# Altium PCB pay-ssm-v4-2.PcbDoc (part 3 of 4)
Units mm, origin at the board's own origin, x right, y up, seen from the top; angles counter-clockwise.
Board outline 127 x 55.12 mm, 6 copper layers (Top Layer, GND1, VCC, 3V3, GND2, Bottom Layer), stack 0.816 mm thick; 295 components, 222 nets, 1035 pads, 478 vias.
Unrouted connection lines stored in the file: 119.
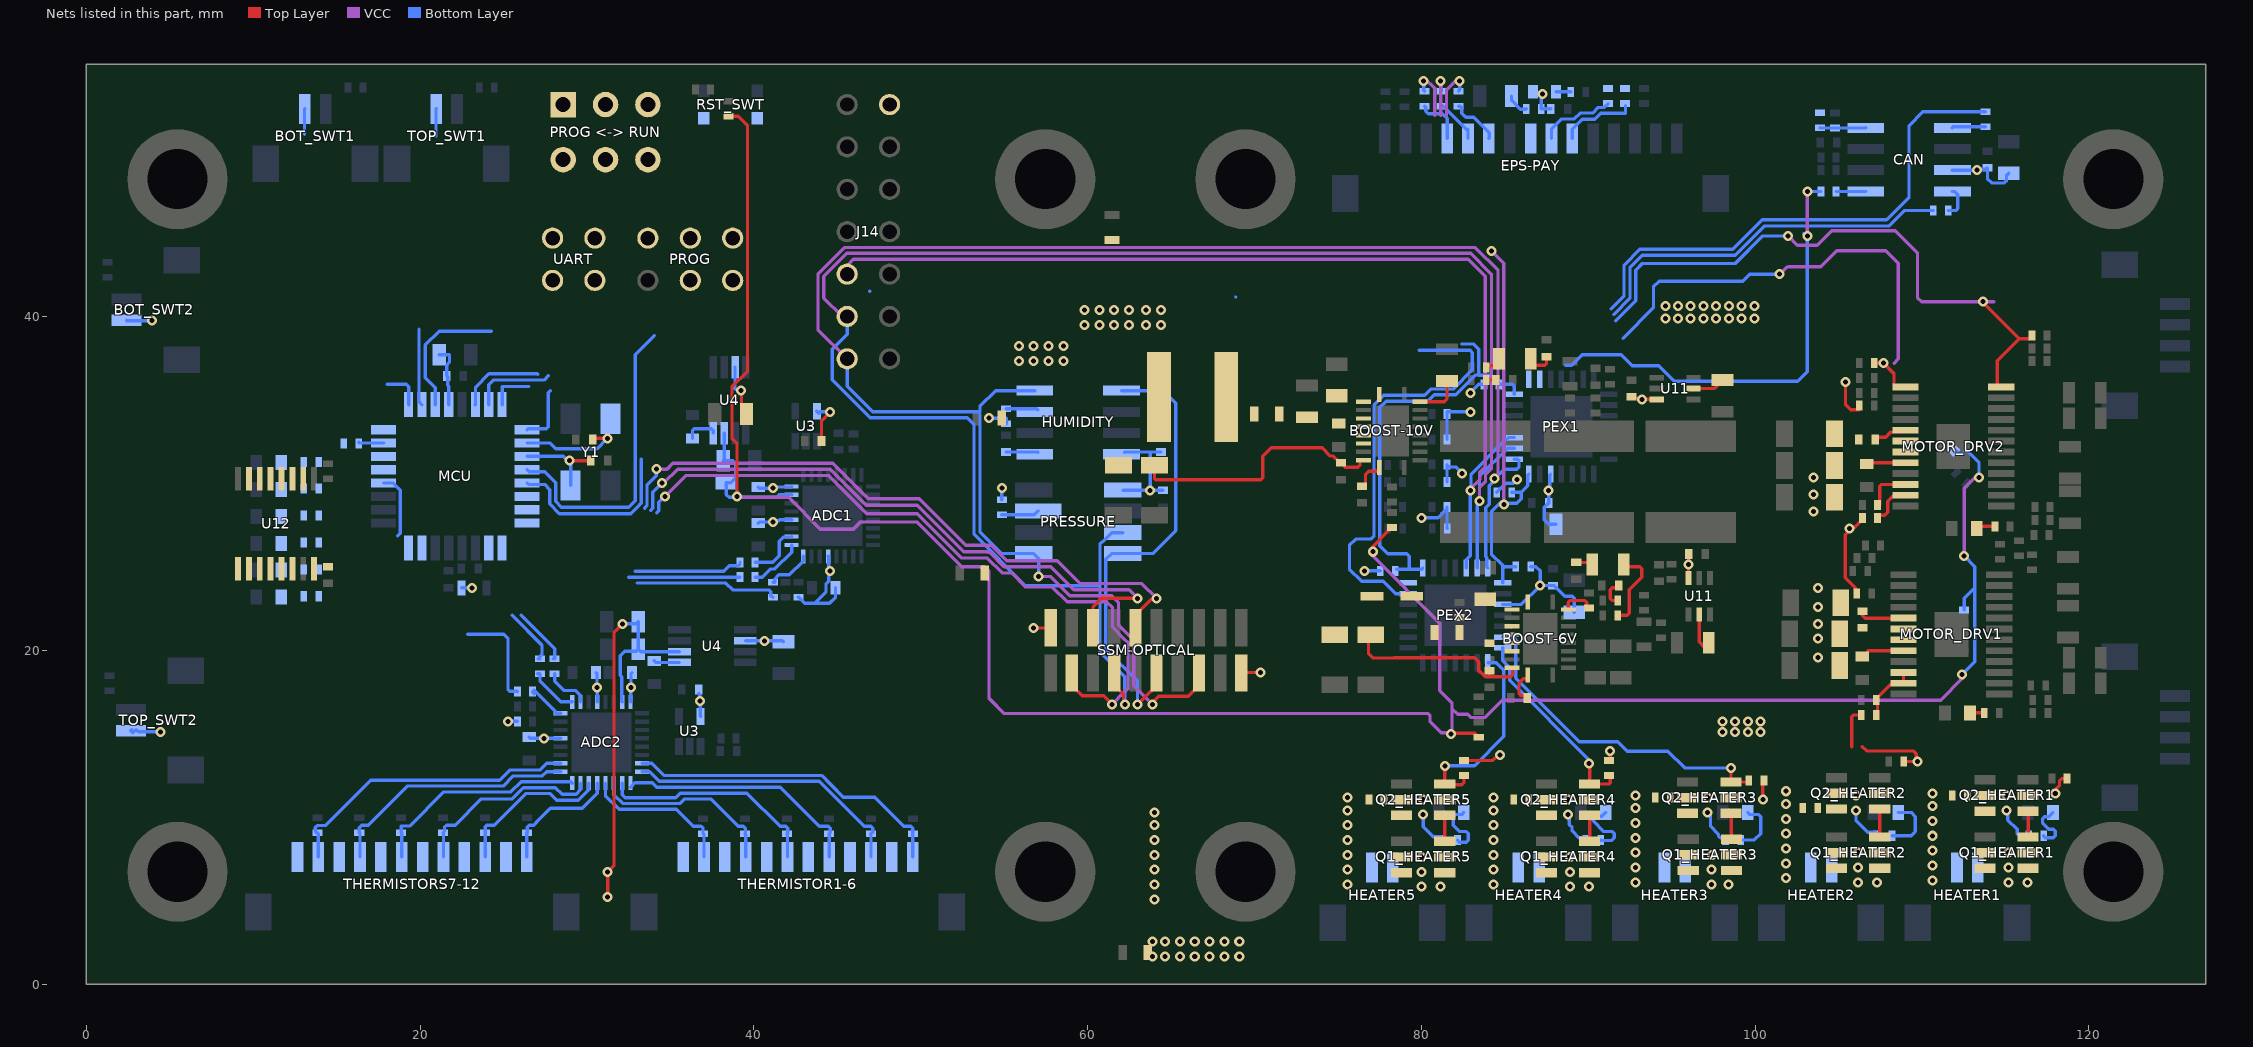
[diagram p7: the nets of this part, all layers, seen from the top]

## Via types
v1: diameter 0.6, hole 0.3, Top Layer to Bottom Layer, tented both sides, 478 vias

## Nets (pads, with @x,y where several pads share a name; then routed paths per layer and width w, separated by ;. In a path a pad name is that pad's centre, name@x,y a point inside that pad or via, vN(x,y) a via of type N, cw(c..) or ccw(c..) an arc to the next point about the centre after c; other vN are vias at no path point) (continued)
HEATER_EN_HEATER3_N: PEX2.2 Q2_HEATER3.3 R66_HEATER3.1 | length 20.3
  Top Layer w0.2: v1(98.552,12.954) 98.552,12.121 Q2_HEATER3.3@98.546,12.116 99.55,12.116 R66_HEATER3.1@99.626,12.192
  Bottom Layer w0.2: PEX2.2@84.877,20.798 84.907,20.828 85.471,20.828 85.649,20.65 85.649,18.339 89.466,14.522 91.767,14.522 92.335,13.954 94.777,13.954 95.777,12.954 v1(98.552,12.954)
HEATER_EN_HEATER4_N: PEX2.1 Q2_HEATER4.3 R66_HEATER4.1 | length 12
  Top Layer w0.2: v1(90.043,13.208) 90.083,13.168 Q2_HEATER4.3@90.083,11.989 91.237,11.989 91.313,12.065 91.313,12.423 R66_HEATER4.1@91.232,12.504
  Bottom Layer w0.2: PEX2.1@84.877,20.148 84.877,19.39 85.297,18.97 85.297,18.193 90.043,13.447 v1(90.043,13.208)
HEATER_EN_HEATER5_N: PEX2.28 Q2_HEATER5.3 R66_HEATER5.1 | length 12.1
  Top Layer w0.2: v1(81.407,13.081) 81.407,11.994 Q2_HEATER5.3@81.401,11.989 81.452,11.938 82.423,11.938 82.55,12.065 R66_HEATER5.1@82.55,12.504
  Bottom Layer w0.2: v1(81.407,13.081) 83.185,13.081 84.945,14.841 84.945,18.814 84.496,19.263 PEX2.28@83.992,19.263
HEATER_EN_PU_HEATER1: Q1_HEATER1.3 Q2_HEATER1.1 Q2_HEATER1.2 Q2_HEATER1.5 Q2_HEATER1.6 R65_HEATER1.1 R96_HEATER1.1 | length 4
  Top Layer w0.2: Q1_HEATER1.3@116.357,8.814 Q2_HEATER1.1@116.357,10.363
  Bottom Layer w0.2: v1(115.062,10.414) 115.139,10.337 115.139,9.829 115.697,9.271 115.697,9.017 115.824,8.89 R96_HEATER1.1@116.39,8.89
  other v1: 115.062,11.303
HEATER_EN_PU_HEATER2: Q1_HEATER2.3 Q2_HEATER2.1 Q2_HEATER2.2 Q2_HEATER2.5 Q2_HEATER2.6 R65_HEATER2.1 R96_HEATER2.1 | length 4
  Top Layer w0.2: Q1_HEATER2.3@107.467,8.814 Q2_HEATER2.1@107.467,10.49
  Bottom Layer w0.2: v1(106.045,10.414) 106.045,9.798 106.753,9.09 107.204,9.09 107.304,8.99 R96_HEATER2.1@107.304,8.89
  other v1: 106.045,11.303
HEATER_EN_PU_HEATER3: Q1_HEATER3.3 Q2_HEATER3.1 Q2_HEATER3.2 Q2_HEATER3.5 Q2_HEATER3.6 R65_HEATER3.1 R96_HEATER3.1 | length 3.8
  Top Layer w0.2: Q2_HEATER3.1@98.546,10.236 98.577,10.205 Q1_HEATER3.3@98.577,8.687
  Bottom Layer w0.2: v1(97.155,10.287) 97.326,10.116 97.326,9.469 97.803,8.992 97.803,8.88 97.921,8.763 98.129,8.763 98.229,8.663 R96_HEATER3.1@98.229,8.636
  other v1: 97.155,11.176
HEATER_EN_PU_HEATER4: Q1_HEATER4.3 Q2_HEATER4.1 Q2_HEATER4.2 Q2_HEATER4.5 Q2_HEATER4.6 R65_HEATER4.1 R96_HEATER4.1 | length 3.7
  Top Layer w0.2: Q1_HEATER4.3@90.083,8.56 Q2_HEATER4.1@90.083,10.109
  Bottom Layer w0.2: v1(88.788,10.16) 88.865,10.083 88.865,9.56 89.027,9.398 89.027,9.178 89.442,8.763 89.747,8.763 89.847,8.663 R96_HEATER4.1@89.847,8.636
  other v1: 88.788,11.049
HEATER_EN_PU_HEATER5: Q1_HEATER5.3 Q2_HEATER5.1 Q2_HEATER5.2 Q2_HEATER5.5 Q2_HEATER5.6 R65_HEATER5.1 R96_HEATER5.1 | length 3.8
  Top Layer w0.2: Q1_HEATER5.3@81.401,8.56 Q2_HEATER5.1@81.401,10.109
  Bottom Layer w0.2: v1(80.106,10.16) 80.106,9.429 80.699,8.836 81.169,8.836 81.269,8.736 R96_HEATER5.1@81.269,8.636
  other v1: 80.106,11.049
HM_CSn: HUMIDITY.3 MCU.23 R77.1 | length 1.9
  Bottom Layer w0.2: R77.1@55.118,34.486 56.954,34.486 HUMIDITY.3@57.023,34.417
ILIM: BOOST-10V.19 R29.2 | length 2.8
  Top Layer w0.2: BOOST-10V.19@79.917,34.897 81.379,34.897 81.534,35.052 R29.2@81.534,36.134
ILIM2: BOOST-6V.19 R88.2 | length 2
  Top Layer w0.2: BOOST-6V.19@88.807,22.451 88.807,22.87 88.924,22.987 89.482,22.987 89.485,22.985 89.799,22.985 89.916,22.867 89.916,22.637 90.016,22.537 R88.2@90.043,22.537
IN4: U12.10
IN5: U12.12
IN6: U12.14
IND_BOOST: L2.2 R25.1
IND_BOOST2: L3.2 R38.1
IND_BOOST2_SENSE: BOOST-6V.4 BOOST-6V.5 BOOST-6V.6 BOOST-6V.7 C31.2 R38.2 R39.2
IND_BOOST_SENSE: BOOST-10V.4 BOOST-10V.5 BOOST-10V.6 BOOST-10V.7 C19.2 R25.2 R26.2
INTA_PEX1: PEX1.16
INTB_PEX1: PEX1.15
INTB_PEX2: PEX2.15
LBK: MCU.18 R15.2 | length 27.6
  VCC w0.2: v1(103.124,44.828) v1(103.124,47.498)
  Bottom Layer w0.2: 88.646,37.084 89,37.084 89.629,37.713 91.971,37.713 92.628,37.055 94.234,37.055 95.167,36.122 102.543,36.122 103.124,36.703 v1(103.124,44.828) 102.994,44.958 102.994,44.882 v1@102.918,44.958 ; v1(103.124,47.498) R15.2@103.944,47.498
LBK_R: CAN.5 R15.1 | length 1.8
  Bottom Layer w0.2: R15.1@104.844,47.498 CAN.5@106.62,47.498
LED1: D2.1 R80.1
LED2: D3.1 R81.1
LED3: D4.1 R82.1
LED4: D5.1 R83.1
LED5: D6.1 R84.1
LED6: D7.1 R85.1
MF1_THM1: ADC2.12 R78_MF_THM1_6.2 THERMISTOR1-6.2 | length 9.1
  Bottom Layer w0.2: ADC2.12@31.111,12.043 31.111,11.296 31.936,10.471 35.36,10.471 36.378,9.454 36.84,9.454 36.957,9.336 R78_MF_THM1_6.2@36.957,9.006 37.017,8.946 THERMISTOR1-6.2@37.017,7.62
MF1_THM2: ADC2.11 R78_MF_THM1_7.2 THERMISTOR1-6.4 | length 11.4
  Bottom Layer w0.2: ADC2.11@31.611,12.043 31.64,12.014 31.64,11.323 32.139,10.824 35.589,10.824 35.858,11.093 37.421,11.093 39.06,9.454 39.38,9.454 39.497,9.336 39.497,9.031 R78_MF_THM1_7.2@39.472,9.006 39.517,8.961 THERMISTOR1-6.4@39.517,7.62
MF1_THM3: ADC2.10 R78_MF_THM1_8.2 THERMISTOR1-6.6 | length 13.4
  Bottom Layer w0.2: ADC2.10@32.111,12.043 32.111,11.35 32.285,11.176 35.309,11.176 35.578,11.446 39.589,11.446 41.582,9.454 41.92,9.454 42.037,9.336 42.037,9.057 R78_MF_THM1_8.2@41.986,9.006 42.017,8.975 THERMISTOR1-6.6@42.017,7.62
MF1_THM4: ADC2.9 R78_MF_THM1_9.2 THERMISTOR1-6.8 | length 15
  Bottom Layer w0.2: ADC2.9@32.611,11.798 32.878,12.065 33.919,12.065 34.185,11.798 41.586,11.798 43.931,9.454 44.46,9.454 44.577,9.336 44.577,9.082 R78_MF_THM1_9.2@44.501,9.006 44.517,8.99 THERMISTOR1-6.8@44.517,7.62
MF1_THM5: ADC2.8 R78_MF_THM1_10.2 THERMISTOR1-6.10 | length 17
  Bottom Layer w0.2: ADC2.8@33.296,12.728 33.754,12.728 34.331,12.151 43.914,12.151 46.611,9.454 47,9.454 47.117,9.336 47.117,9.106 47.017,9.006 R78_MF_THM1_10.2@47.015,9.006 47.017,9.004 THERMISTOR1-6.10@47.017,7.62
MF1_THM6: ADC2.7 R78_MF_THM1_11.2 THERMISTOR1-6.12 | length 19.6
  Bottom Layer w0.2: ADC2.7@33.296,13.228 33.889,13.228 34.614,12.503 44.06,12.503 44.625,11.938 45.363,11.2 47.239,11.2 48.986,9.454 49.413,9.454 49.53,9.336 R78_MF_THM1_11.2@49.53,9.006 49.517,8.993 THERMISTOR1-6.12@49.517,7.62
MF2_THM1: ADC2.18 R78_MF_THM2_12.2 THERMISTORS7-12.2 | length 18.2
  Bottom Layer w0.2: THERMISTORS7-12.2@13.903,7.62 13.903,9.015 R78_MF_THM2_12.2@13.843,9.075 13.816,9.075 13.716,9.175 13.716,9.387 13.833,9.504 14.33,9.504 17.046,12.22 24.765,12.22 25.372,12.827 27.188,12.827 27.589,13.228 ADC2.18@28.426,13.228
MF2_THM2: ADC2.17 R78_MF_THM2_13.2 THERMISTORS7-12.4 | length 15.2
  Bottom Layer w0.2: THERMISTORS7-12.4@16.403,7.62 16.403,9.03 R78_MF_THM2_13.2@16.358,9.075 16.358,9.373 16.508,9.523 16.889,9.523 19.233,11.867 24.979,11.867 25.587,12.475 27.334,12.475 27.587,12.728 ADC2.17@28.426,12.728
MF2_THM3: ADC2.16 R78_MF_THM2_14.2 THERMISTORS7-12.6 | length 13.2
  Bottom Layer w0.2: THERMISTORS7-12.6@18.903,7.62 18.903,9.044 R78_MF_THM2_14.2@18.872,9.075 18.872,9.474 19.371,9.474 21.412,11.515 25.445,11.515 26.052,12.122 29.032,12.122 ADC2.16@29.111,12.043
MF2_THM4: ADC2.15 R78_MF_THM2_15.2 THERMISTORS7-12.8 | length 11.6
  Bottom Layer w0.2: THERMISTORS7-12.8@21.403,7.62 21.403,9.059 R78_MF_THM2_15.2@21.387,9.075 21.463,9.151 21.463,9.398 21.588,9.523 21.791,9.523 21.794,9.525 22.104,9.525 23.673,11.093 25.521,11.093 26.198,11.77 28.108,11.77 28.507,11.371 29.346,11.371 29.611,11.636 ADC2.15@29.611,12.043
MF2_THM5: ADC2.14 R78_MF_THM2_16.2 THERMISTORS7-12.10 | length 9.7
  Bottom Layer w0.2: THERMISTORS7-12.10@23.903,7.62 23.903,9.073 R78_MF_THM2_16.2@23.901,9.075 23.901,9.423 24.001,9.523 24.306,9.523 24.308,9.525 24.451,9.525 26.344,11.417 27.795,11.417 28.194,11.018 29.493,11.018 30.111,11.636 ADC2.14@30.111,12.043
MF2_THM6: ADC2.13 R78_MF_THM2_17.2 THERMISTORS7-12.12 | length 7.5
  Bottom Layer w0.2: THERMISTORS7-12.12@26.403,7.62 26.403,9.062 R78_MF_THM2_17.2@26.416,9.075 26.416,9.405 26.533,9.523 26.821,9.523 26.968,9.67 26.968,9.696 27.813,10.541 29.718,10.541 30.611,11.434 ADC2.13@30.611,12.043
MISO: HUMIDITY.5 J14.9 MCU.8 PEX1.10 PEX2.10 PRESSURE.8 R20.1 SSM-OPTICAL.12 | length 102.4
  Top Layer w0.2: v1(62.992,16.764) 63.416,17.188 63.431,17.188 64.135,17.892 SSM-OPTICAL.12@64.135,18.641
  VCC w0.2: J14.9@45.593,42.545 45.593,43.053 45.972,43.432 82.815,43.432 83.82,42.428 83.82,30.994 83.489,30.662 83.489,30.235 82.931,29.678 v1(82.931,29.591)
  Bottom Layer w0.2: MCU.8@24.916,34.723 24.916,35.814 26.515,35.814 ; 26.057,22.098 28.067,20.088 R20.1@28.067,19.5 R20.1@27.967,19.5 ; 32.893,24.736 38.198,24.736 38.535,25.073 39.074,25.073 39.174,25.173 R20.1@39.174,25.273 ; HUMIDITY.5@62.036,35.56 64.516,35.56 65.278,34.798 65.278,27.178 63.901,25.801 PRESSURE.8@62.119,25.801 61.444,25.801 61.094,25.451 61.094,20.049 62.992,18.151 v1(62.992,16.764) ; PEX2.10@82.692,24.933 82.692,25.415 82.931,25.654 v1(82.931,29.591) 82.975,29.635 82.975,30.561 84.932,32.518 84.969,32.518 85.202,32.751 PEX1.10@85.557,32.751
MISO_A: MCU.1 PROG.1 R4.2 | length 5.8
  VCC w0.2: v1(80.137,54.102) 80.214,54.025 80.214,54.26 80.801,53.673 80.801,52.07
  Bottom Layer w0.2: 18.034,35.941 19.177,35.941 19.316,35.802 MCU.1@19.316,34.723 ; v1(80.137,54.102) 80.137,53.562 R4.2@80.193,53.507
MISO_A_R: EPS-PAY.4 R4.1 | length 3
  Bottom Layer w0.2: R4.1@80.193,52.607 80.264,52.535 80.264,52.314 80.424,52.154 81.263,52.154 81.547,51.87 EPS-PAY.4@81.547,50.673
MISO_R_ADC1: ADC1.26 R20.2@40.074,25.273 | length 3.4
  Bottom Layer w0.2: R20.2@40.074,25.273 41.148,25.273 41.529,25.654 41.529,26.543 41.773,26.787 42.239,26.787 ADC1.26@42.269,26.817
MISO_R_ADC2: ADC2.26 R20.2@28.067,18.6 | length 2.7
  Bottom Layer w0.2: R20.2@28.067,18.6 28.067,18.161 28.639,17.59 29.341,17.59 29.611,17.32 ADC2.26@29.611,16.913
MOSI: J14.11 MCU.9 PEX1.9 PEX2.9 PRESSURE.7 R22.1 SSM-OPTICAL.8 | length 123.4
  Top Layer w0.2: SSM-OPTICAL.8@61.595,18.641 61.595,17.892 62.153,17.333 62.153,16.841 v1(62.23,16.764)
  VCC w0.2: J14.11@45.593,40.005 45.303,40.005 44.196,41.112 44.196,42.403 45.578,43.785 82.961,43.785 84.201,42.545 84.201,30.876 83.841,30.516 83.841,30.089 83.483,29.732 v1(83.483,28.956)
  Bottom Layer w0.2: 25.522,22.103 27.305,20.32 27.305,19.727 27.078,19.5 R22.1@27.178,19.5 ; MCU.9@26.416,33.223 26.467,33.274 27.569,33.274 27.686,33.391 27.686,35.433 27.813,35.56 ; 32.512,24.384 R22.1@39.174,24.384 ; J14.11@45.593,40.005 45.593,38.931 44.706,38.044 44.706,36.203 46.971,33.938 52.788,33.938 53.197,33.528 53.197,26.949 56.27,23.877 57.657,23.877 ; 57.658,23.876 60.742,23.876 ; PRESSURE.7@62.119,27.051 61.444,27.051 60.896,26.503 60.889,26.503 60.742,26.356 60.742,23.876 ; v1(62.23,16.764) 62.23,18.415 60.742,19.903 60.742,23.876 ; PEX2.9@83.342,24.933 83.342,28.815 v1(83.483,28.956) 83.483,30.419 85.165,32.101 PEX1.9@85.557,32.101
MOSI_A/TX: MCU.2 PROG.4 R6.2 U12.4 UART.2 UART.4 | length 7.7
  VCC w0.2: 81.505,52.07 81.505,53.565 82.042,54.102 v1(82.296,54.102)
  Bottom Layer w0.2: 19.939,39.243 19.939,34.9 MCU.2@20.116,34.723 ; 46.945,41.524 46.95,41.529 ; R6.2@82.225,53.507 82.296,53.578 v1(82.296,54.102)
MOSI_A/TX_R: EPS-PAY.6 R6.1 | length 3
  Bottom Layer w0.2: R6.1@82.225,52.607 82.323,52.607 82.423,52.507 82.423,52.187 82.54,52.07 82.672,51.938 83.139,51.938 84.074,51.003 84.074,50.7 EPS-PAY.6@84.047,50.673
MOSI_R_ADC1: ADC1.25 R22.2@40.074,24.384 | length 3.2
  Bottom Layer w0.2: R22.2@40.074,24.384 40.513,24.384 41.006,24.877 41.26,24.877 42.269,25.886 ADC1.25@42.269,26.317
MOSI_R_ADC2: ADC2.25 R22.2@27.178,18.6 | length 3
  Bottom Layer w0.2: R22.2@27.051,18.6 27.191,18.6 27.191,18.148 28.426,16.913 ADC2.25@29.111,16.913
NetC26_2: C26.2 R33.1 | length 1.6
  Top Layer w0.2: R33.1@86.548,37.465 86.548,37.334 86.798,37.084 87.386,37.084 87.503,37.201 C26.2@87.503,37.6
NetC29_2: C29.2 R31.1 | length 0.6
  Top Layer w0.2: R31.1@83.889,36.195 C29.2@84.463,36.195
NetC48_2: C48.2 R92.1 | length 1
  Top Layer w0.2: C48.2@89.281,25.265 90.117,25.265 R92.1@90.236,25.146
NetC51_2: C51.2 R90.1 | length 1.6
  Top Layer w0.2: R90.1@91.763,22.987 91.433,22.987 91.315,23.104 91.315,23.624 91.44,23.749 91.688,23.749 91.813,23.874 C51.2@91.813,23.876
NetC54_1: C54.1 R95.2 | length 0.9
  Bottom Layer w0.2: C54.1@88.076,53.467 R95.2@88.958,53.467
NetD1_MOTOR_DRV1_1: nSLEEP.1@112.879,16.256 R64.2@113.723,16.256 | length 0.8
  Top Layer w0.2: nSLEEP.1@112.879,16.256 R64.2@113.723,16.256
NetD1_MOTOR_DRV2_1: nSLEEP.1@113.287,27.305 R64.2@114.373,27.432 | length 1.1
  Top Layer w0.2: nSLEEP.1@113.399,27.305 113.526,27.432 R64.2@114.485,27.432
NetD8_HEATER1_1: D8_HEATER1.1 R96_HEATER1.2 | length 3.1
  Bottom Layer w0.2: R96_HEATER1.2@117.29,8.89 117.29,8.863 117.39,8.763 117.856,8.763 117.983,8.89 117.983,9.154 117.866,9.271 117.602,9.271 117.221,9.652 117.221,9.916 117.338,10.033 117.594,10.033 117.844,10.283 D8_HEATER1.1@117.844,10.287
NetD8_HEATER2_1: D8_HEATER2.1 R96_HEATER2.2 | length 3.5
  Bottom Layer w0.2: R96_HEATER2.2@108.204,8.89 109.347,8.89 109.601,9.144 109.601,10.033 109.347,10.287 D8_HEATER2.1@108.573,10.287
NetD8_HEATER3_1: D8_HEATER3.1 R96_HEATER3.2 | length 3.3
  Bottom Layer w0.2: R96_HEATER3.2@99.129,8.636 99.949,8.636 100.33,9.017 100.33,10.043 100.213,10.16 99.683,10.16 D8_HEATER3.1@99.556,10.287
NetD8_HEATER4_1: D8_HEATER4.1 R96_HEATER4.2 | length 3.8
  Bottom Layer w0.2: R96_HEATER4.2@90.747,8.636 90.747,8.609 91.413,8.609 91.567,8.763 91.567,9.027 91.45,9.144 90.932,9.144 90.297,9.779 90.297,9.944 90.414,10.062 90.822,10.062 D8_HEATER4.1@91.047,10.287
NetD8_HEATER5_1: D8_HEATER5.1 R96_HEATER5.2 | length 3.5
  Bottom Layer w0.2: R96_HEATER5.2@82.169,8.636 82.169,8.609 82.269,8.509 82.687,8.509 82.804,8.626 82.804,9.027 82.687,9.144 82.296,9.144 81.915,9.525 81.915,10.033 82.042,10.16 82.411,10.16 D8_HEATER5.1@82.538,10.287
NetJ11_HEATER1_2: HEATER1.2 Q1_HEATER1.1 Q1_HEATER1.2 Q1_HEATER1.5 Q1_HEATER1.6
  other v1: 115.189,6.096 116.332,6.096 115.189,6.985 115.189,7.874
NetJ11_HEATER2_2: HEATER2.2 Q1_HEATER2.1 Q1_HEATER2.2 Q1_HEATER2.5 Q1_HEATER2.6
  other v1: 106.172,6.096 107.315,6.096 106.172,6.985 106.172,7.874
NetJ11_HEATER3_2: HEATER3.2 Q1_HEATER3.1 Q1_HEATER3.2 Q1_HEATER3.5 Q1_HEATER3.6
  other v1: 97.378,5.969 98.394,5.969 97.378,6.858 97.409,7.747
NetJ11_HEATER4_2: HEATER4.2 Q1_HEATER4.1 Q1_HEATER4.2 Q1_HEATER4.5 Q1_HEATER4.6
  other v1: 88.9,5.842 90.043,5.842 88.9,6.731 88.9,7.62
NetJ11_HEATER5_2: HEATER5.2 Q1_HEATER5.1 Q1_HEATER5.2 Q1_HEATER5.5 Q1_HEATER5.6
  other v1: 80.01,5.842 81.153,5.842 80.01,6.731 80.01,7.62
NetR27_1: R27.1 R33.2 | length 1.1
  Top Layer w0.2: R27.1@83.889,36.957 83.889,37.057 84.298,37.057 84.648,37.407 R33.2@84.648,37.465
NetR40_1: R40.1 R92.2 | length 4.9
  Top Layer w0.2: R40.1@91.763,22.098 92.339,22.098 92.456,22.215 92.456,23.632 93.208,24.384 93.208,24.902 93.091,25.019 92.263,25.019 R92.2@92.136,25.146
OBC_RST: R9.2
OBC_RST_R: EPS-PAY.10 R9.1 | length 4.6
  Bottom Layer w0.2: EPS-PAY.10@89.047,50.673 89.047,51.223 89.649,51.825 90.401,51.825 90.753,52.178 92.23,52.178 R9.1@92.23,52.636
OPT_CS_N: MCU.3 SSM-OPTICAL.5 | length 46.2
  Top Layer w0.2: SSM-OPTICAL.5@60.325,21.359 60.325,22.606 60.833,23.114 v1(62.992,23.114)
  VCC w0.2: v1(34.512,30.035) 34.608,30.035 35.433,30.861 44.587,30.861 46.746,28.702 49.794,28.702 52.588,25.908 54.005,25.908 54.029,25.884 54.126,25.884 54.991,25.019 57.785,25.019 59.182,23.622 62.484,23.622 v1(62.992,23.114)
  Bottom Layer w0.2: MCU.3@20.916,34.723 20.916,35.726 20.32,36.322 20.32,38.298 21.138,39.116 24.257,39.116 ; 33.817,28.375 33.852,28.41 33.852,28.42 33.95,28.518 33.95,29.473 v1(34.512,30.035)
OPT_DATA_RDY: MCU.30 SSM-OPTICAL.4 | length 42.1
  Top Layer w0.2: SSM-OPTICAL.4@59.055,18.641 59.055,17.892 59.676,17.271 60.974,17.271 61.468,16.777 v1(61.468,16.764)
  VCC w0.2: v1(34.671,29.21) 35.941,30.48 44.469,30.48 46.755,28.194 49.784,28.194 52.446,25.532 53.98,25.532 54.874,24.638 55.452,24.638 56.297,23.793 57.896,23.793 58.773,22.917 61.13,22.917 61.497,22.551 61.497,21.382 62.178,20.701 62.422,20.457 62.422,17.718 62.02,17.316 62.001,17.316 61.678,16.993 61.678,16.974 v1(61.468,16.764)
  Bottom Layer w0.2: 34.169,28.229 34.204,28.264 34.204,28.274 34.303,28.372 34.303,28.87 34.642,29.21 v1(34.671,29.21)
OPT_RST_N: MCU.17 SSM-OPTICAL.9 | length 38.2
  Top Layer w0.2: SSM-OPTICAL.9@62.865,21.359 62.865,22.108 63.794,23.037
  VCC w0.2: v1(34.163,30.861) 34.798,30.861 35.15,31.213 44.733,31.213 46.863,29.083 49.911,29.083 52.705,26.289 54.229,26.289 55.147,25.371 58.195,25.371 59.563,24.003 63.246,24.003 v1(64.135,23.114)
  Bottom Layer w0.2: 33.465,28.521 33.499,28.556 33.499,28.566 33.598,28.664 33.598,29.902 34.163,30.467 v1(34.163,30.861)
OUT1: R80.2 U12.3
OUT2: R81.2 U12.5
OUT3: R82.2 U12.7
OUT4: R83.2 U12.9
OUT5: R84.2 U12.11
OUT6: R85.2 U12.13
PAY_RST: "PROG <-> RUN.5" MCU.31 R8.2 R11.1 U12.2 | length 1.5
  Bottom Layer w0.2: R11.1@16.325,32.461 16.363,32.423 MCU.31@17.816,32.423
PAY_RST_R: EPS-PAY.9 R8.1 | length 4.6
  Bottom Layer w0.2: EPS-PAY.9@87.797,50.673 87.797,51.223 88.417,51.843 89.168,51.843 89.523,52.197 90.274,52.197 90.607,52.53 90.953,52.53 R8.1@91.186,52.763
PD0: MCU.29 MOTOR_DRV2.13 R60.2@107.13,37.211 | length 28.7
  Top Layer w0.2: R60.2@107.13,37.211 v1(107.696,37.211) 108.321,36.586 108.321,35.894 108.426,35.789 MOTOR_DRV2.13@109.006,35.789
  VCC w0.2: v1(101.473,42.545) 101.897,42.969 101.991,42.969 102.005,42.983 103.943,42.983 104.902,43.942 107.84,43.942 108.585,43.197 108.585,37.465 108.331,37.211
  Bottom Layer w0.2: 92.084,38.694 93.907,40.517 93.907,41.783 94.247,42.123 99.254,42.123 99.676,42.545 v1(101.473,42.545)
PD1: MCU.32 MOTOR_DRV2.12 R61.2@116.586,38.862 | length 37.4
  Top Layer w0.2: v1(113.665,40.894) 113.665,40.824 115.827,38.662 ; MOTOR_DRV2.12@114.746,35.789 114.615,35.789 114.51,35.894 114.51,37.345 115.827,38.662 ; R61.2@116.586,38.862 116.586,38.762 116.486,38.662 115.827,38.662
  VCC w0.2: v1(101.981,44.831) 102.537,44.275 103.711,44.275 104.586,45.15 108.393,45.15 109.728,43.815 109.728,41.138 109.972,40.894 114.3,40.894
  Bottom Layer w0.2: 91.646,39.751 92.85,40.955 92.85,42.79 93.24,43.18 98.806,43.18 100.457,44.831 v1(101.981,44.831)
PD7: MCU.15
PEX2_INTA: MCU.16 PEX2.16 | length 26.1
  Bottom Layer w0.2: PEX2.16@79.207,23.398 78.456,23.398 77.724,24.13 76.435,24.13 75.692,24.873 75.692,26.289 76.073,26.67 76.972,26.67 77.162,26.86 77.162,34.703 77.737,35.277 80.189,35.277 80.57,35.658 81.917,35.658 83.058,36.799 83.058,37.846 82.931,37.973 79.883,37.973
PEX_CS: MCU.13 PEX1.7 PEX2.7 R67.1 | length 36.2
  VCC w0.2: v1(84.201,43.942) 84.582,43.561 84.946,43.197 84.946,28.757 v1(84.942,28.753)
  Bottom Layer w0.2: MCU.13@26.416,30.023 26.501,29.938 27.466,29.938 27.771,29.633 27.771,28.777 28.354,28.194 32.639,28.194 33.147,28.702 33.147,28.712 33.245,28.81 33.245,31.467 ; v1@84.801,28.895 84.201,28.295 84.201,25.766 84.877,25.09 84.877,24.902 ; PEX2.7@84.877,24.048 84.877,24.902 ; v1(84.942,28.753) 84.888,28.807 85.711,28.807 85.979,29.075 85.979,29.464 ; R67.1@85.413,29.464 85.979,29.464 ; R67.1@85.656,25.019 84.994,25.019 84.877,24.902 ; PEX1.7@86.442,30.566 86.377,30.501 86.377,29.881 86.35,29.855 86.35,29.835 85.979,29.464
PEX_RST: MCU.14 PEX1.14 PEX2.14 R68.1 | length 25.2
  Bottom Layer w0.2: R68.1@78.528,24.868 79.277,24.868 ; PEX2.14@80.092,24.933 80.027,24.868 79.277,24.868 ; 82.423,38.354 83.133,38.354 83.439,38.048 83.439,36.502 ; PEX1.14@85.557,35.351 85.557,35.824 85.44,35.941 R68.1@84.651,35.941 84.651,36.041 84.199,36.493 83.566,36.493 ; 79.277,24.868 79.277,25.625 79.121,25.781 77.997,25.781 77.515,26.264 77.515,34.557 77.883,34.925 80.391,34.925 80.772,35.306 82.063,35.306 83.259,36.502 83.439,36.502 ; 83.439,36.502 83.439,36.493 83.566,36.493 ; 83.439,36.502 83.557,36.502 83.566,36.493
PR_CSn: MCU.24 PRESSURE.3 R75.1 | length 2.3
  Bottom Layer w0.2: R75.1@54.864,28.125 56.818,28.125 PRESSURE.3@57.044,28.351
RS: CAN.8 R17.1 R18.2 | length 2.7
  Bottom Layer w0.2: R17.1@103.886,51.308 103.891,51.303 104.77,51.303 R18.2@104.775,51.297 106.609,51.297 CAN.8@106.62,51.308
RS_IN: R17.2
RST_PROG: "PROG <-> RUN.4" PROG.5
RST_SW: "PROG <-> RUN.6" RST_SWT.1
RX_SW: "PROG <-> RUN.3" UART.1 UART.3
RXCAN: MCU.7 R13.2 | length 27.8
  Bottom Layer w0.2: MCU.7@24.116,34.723 24.116,35.927 24.384,36.195 27.432,36.195 27.686,36.449 ; 91.516,40.119 92.497,41.101 92.497,42.936 93.234,43.672 98.8,43.672 100.552,45.425 108.007,45.425 108.937,46.355 R13.2@110.675,46.355
RXD_R: CAN.4 R13.1 | length 1.8
  Bottom Layer w0.2: R13.1@111.575,46.355 112.024,46.355 112.141,46.472 112.141,47.298 111.941,47.498 CAN.4@111.82,47.498
SCK: HUMIDITY.4 J14.13 MCU.28 PEX1.8 PEX2.8 PRESSURE.1 R23.1 SSM-OPTICAL.16 | length 130.3
  Top Layer w0.2: v1(63.881,16.764) 63.881,16.872 64.263,17.254 66.037,17.254 66.675,17.892 SSM-OPTICAL.16@66.675,18.641
  VCC w0.2: J14.13@45.593,37.465 43.844,39.214 43.844,42.549 45.432,44.137 83.225,44.137 84.594,42.768 84.594,30.596 84.394,30.396 v1(84.394,30.288) ; v1(57.073,24.429) 57.759,24.429 58.919,23.27 61.449,23.27 61.849,22.87 61.849,21.528 62.324,21.053 62.607,20.77 62.774,20.603 62.774,17.871 v1(63.881,16.764)
  Bottom Layer w0.2: MCU.28@17.816,30.023 18.398,30.023 18.818,29.603 18.818,27.007 18.669,26.858 ; 22.86,20.955 25.019,20.955 25.273,20.701 25.273,17.643 25.363,17.553 25.839,17.553 R23.1@25.839,17.526 ; 33.02,24.032 38.325,24.032 38.737,23.62 40.904,23.62 41.021,23.502 41.021,23.272 41.121,23.172 R23.1@41.148,23.172 ; J14.13@45.593,37.465 45.593,35.814 47.117,34.29 53.55,34.29 53.55,34.627 54.483,35.56 HUMIDITY.4@56.836,35.56 ; 53.55,34.163 53.55,27.095 54.844,25.801 PRESSURE.1@56.769,25.801 57.073,25.497 v1(57.073,24.429) ; PEX2.8@83.992,24.933 83.927,24.998 83.927,25.542 83.849,25.62 83.849,28.54 84.061,28.752 84.061,29.869 84.394,30.201 v1(84.394,30.288) 84.967,30.861 85.725,30.861 85.852,30.988 85.852,31.386 85.787,31.451 PEX1.8@85.557,31.451
SCK_A: "PROG <-> RUN.1" PROG.3
SCK_A/RX: "PROG <-> RUN.2" MCU.12 R5.2 U12.6 | length 21.3